# Altium PCB quadruped.PcbDoc
Units mm, origin at the board's own origin, x right, y up, seen from the top; angles counter-clockwise.
Board outline 70.48 x 68.45 mm, 2 copper layers (Top Layer, Bottom Layer); 63 components, 54 nets, 329 pads, 86 vias.
Unrouted connection lines stored in the file: 16.
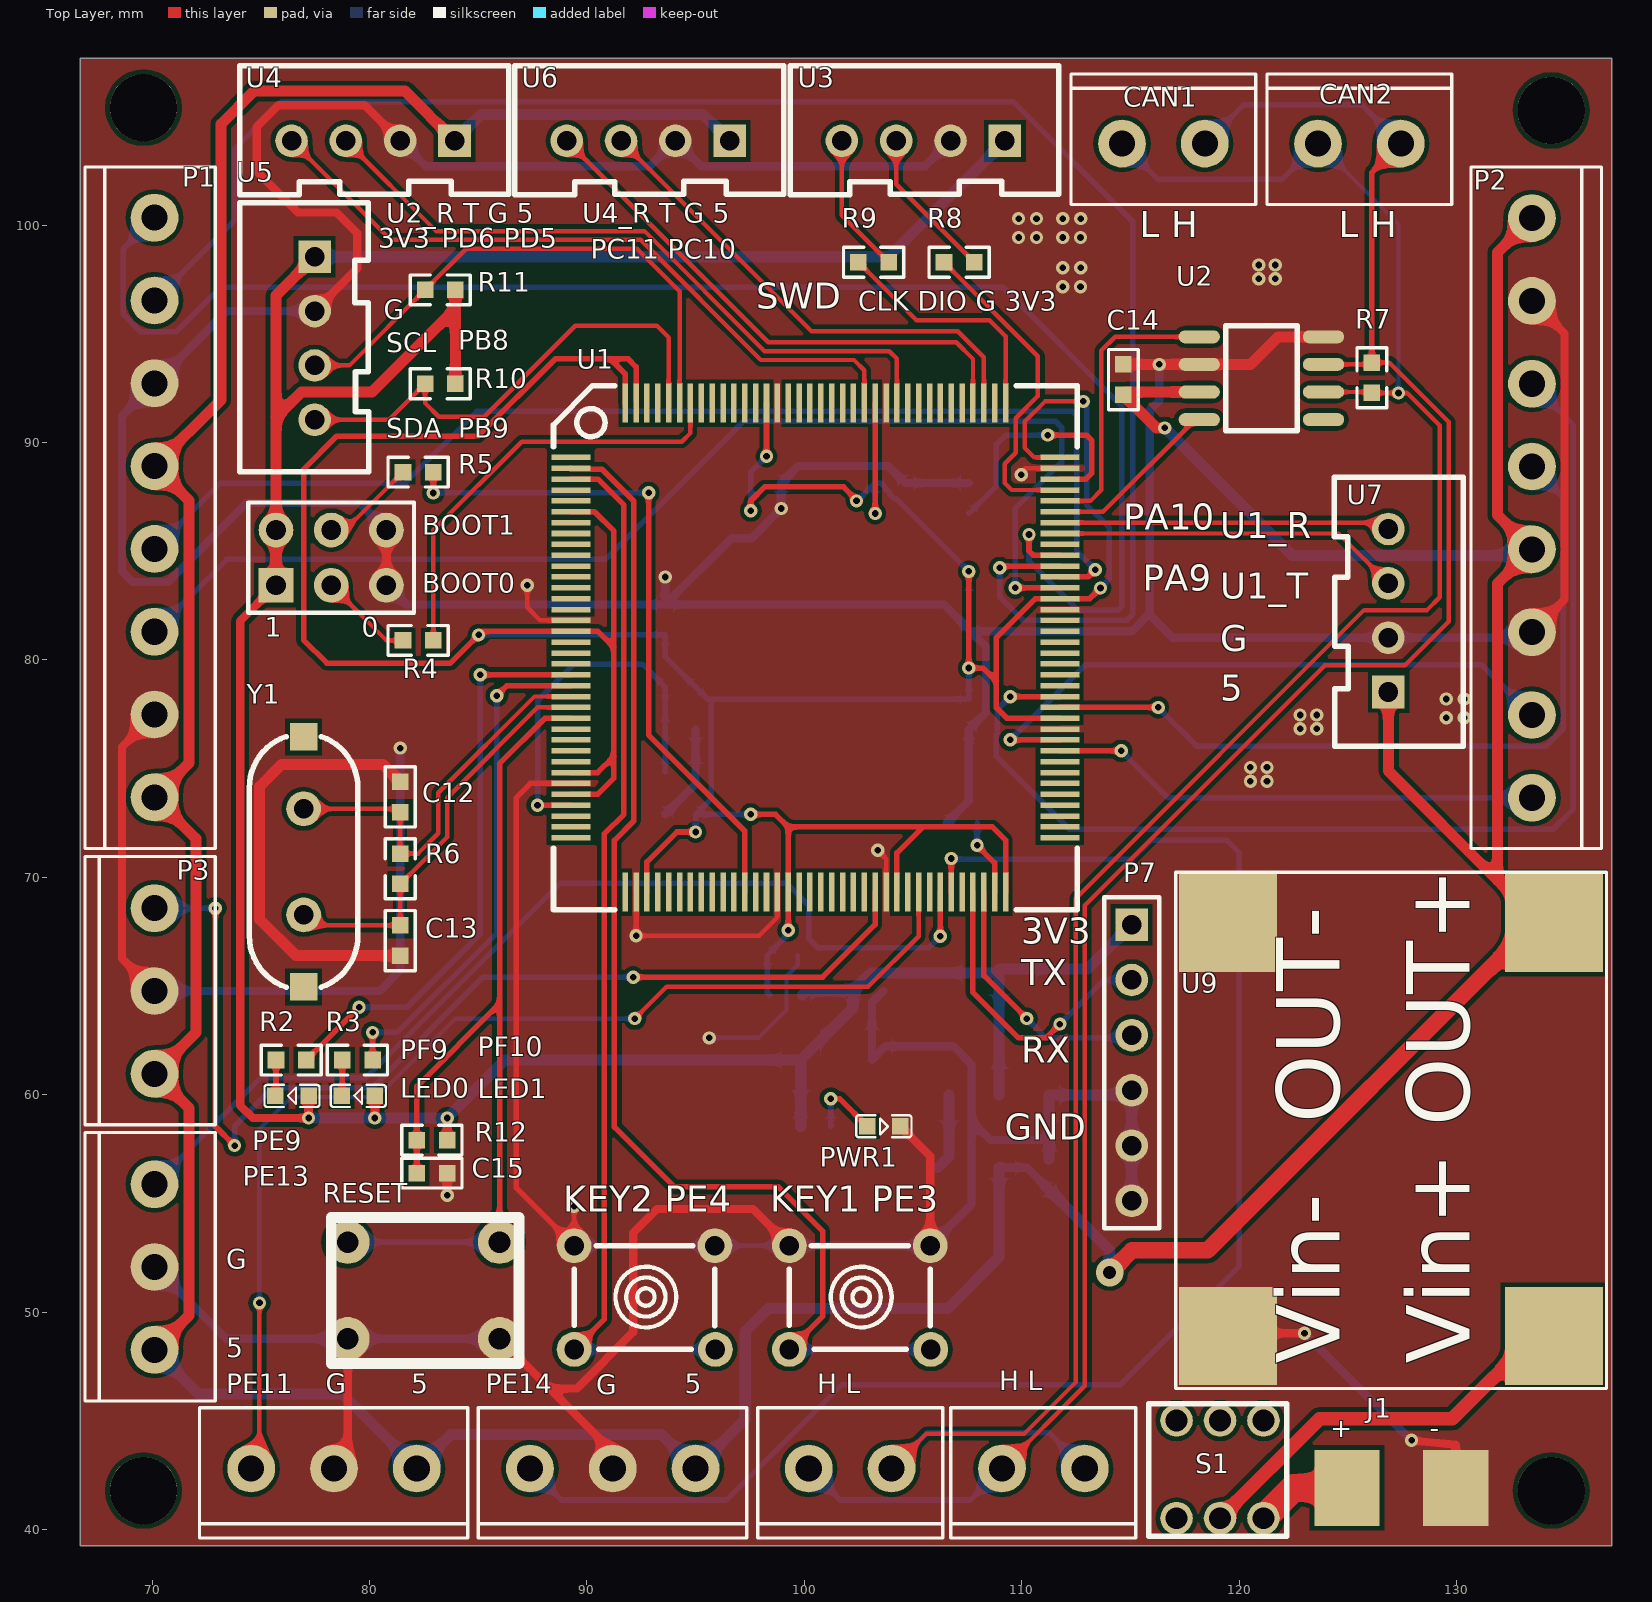
[diagram p0: Top Layer view]
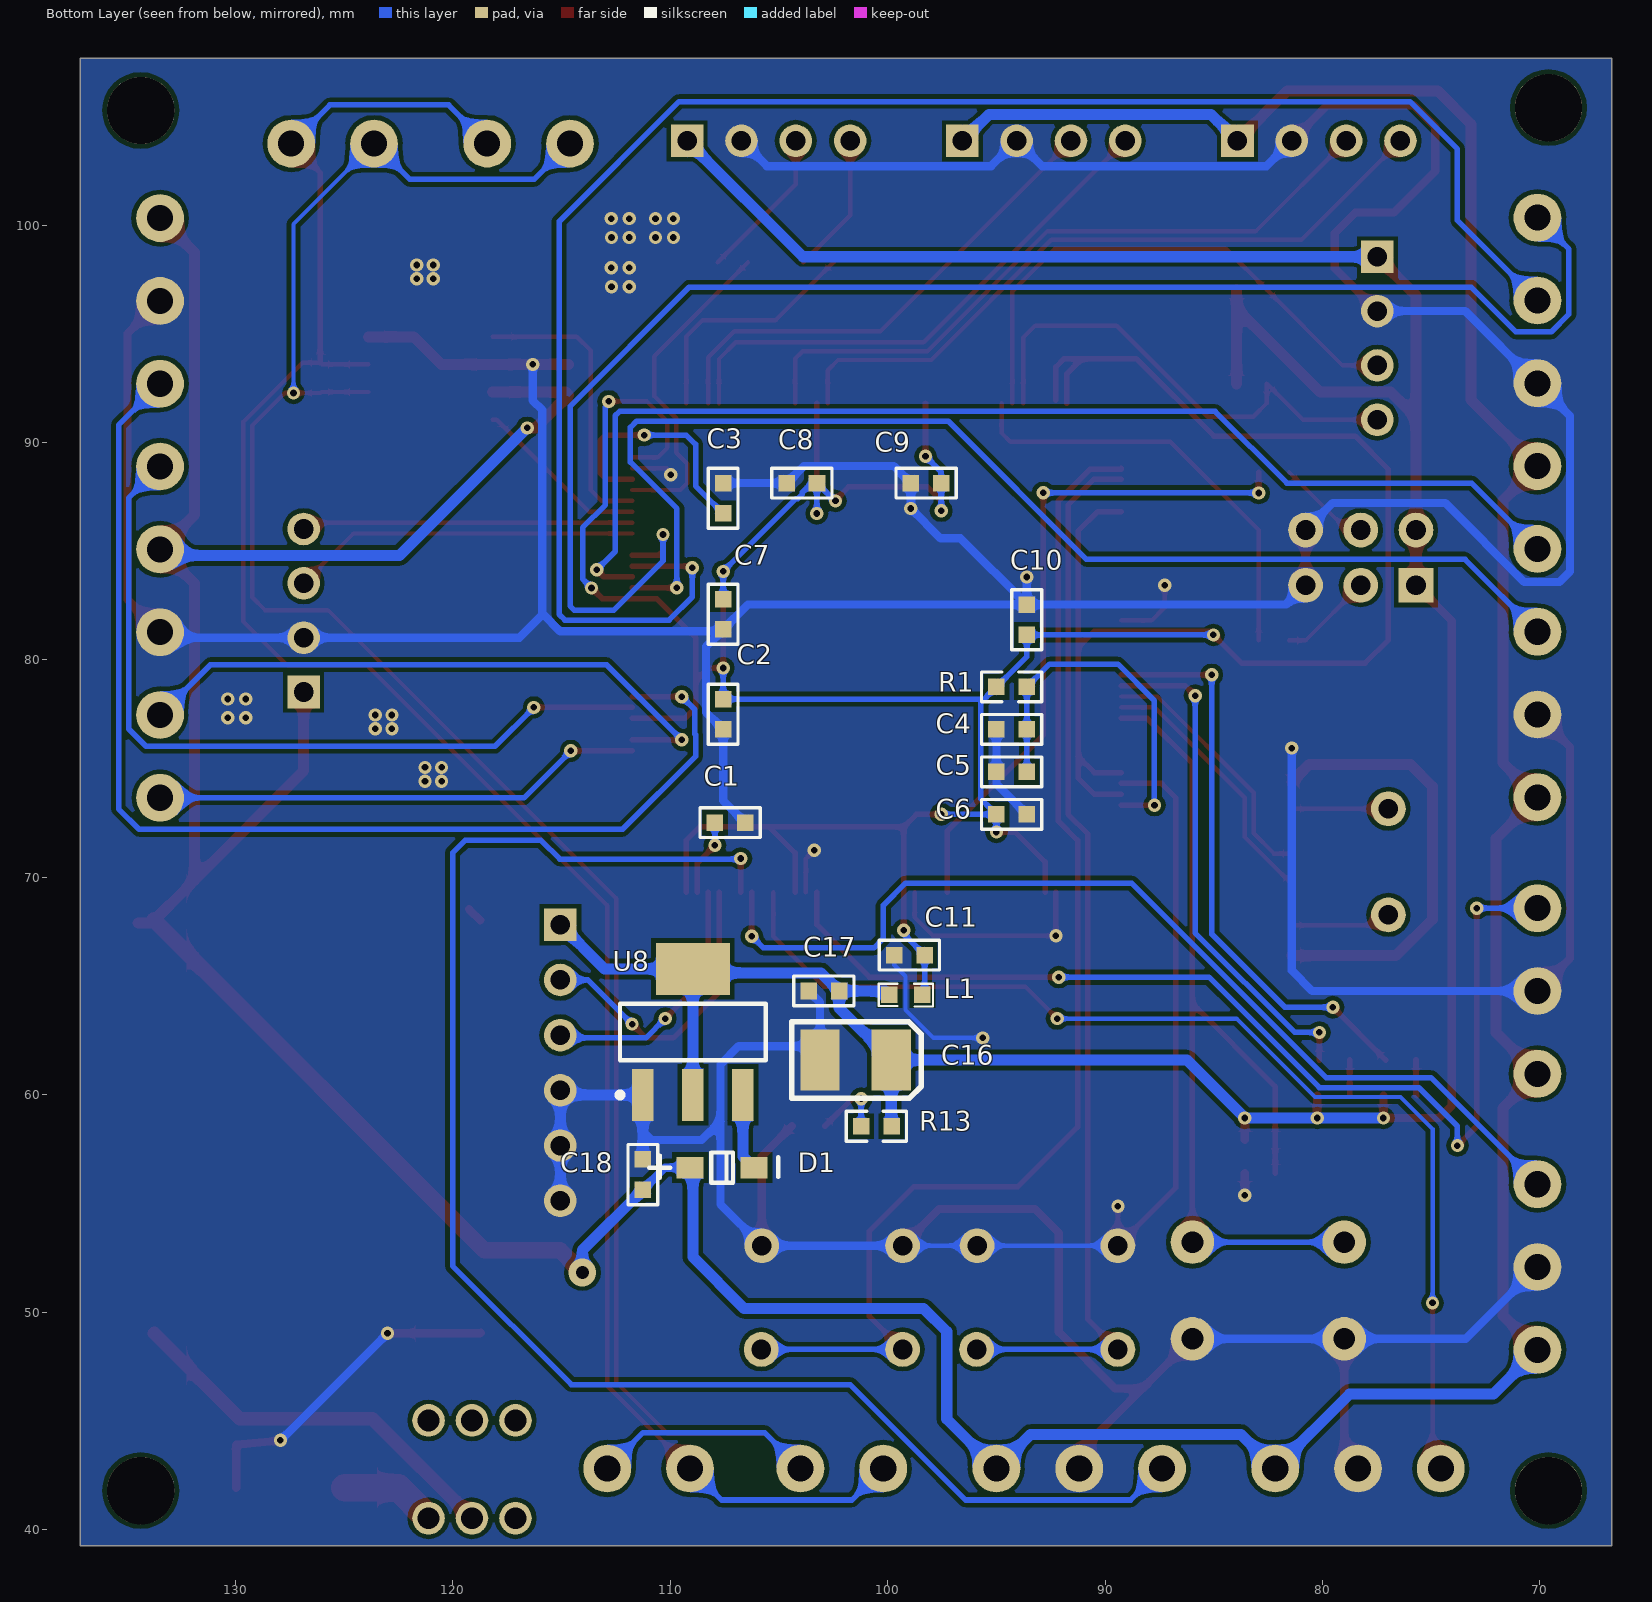
[diagram p1: Bottom Layer view, seen from below]
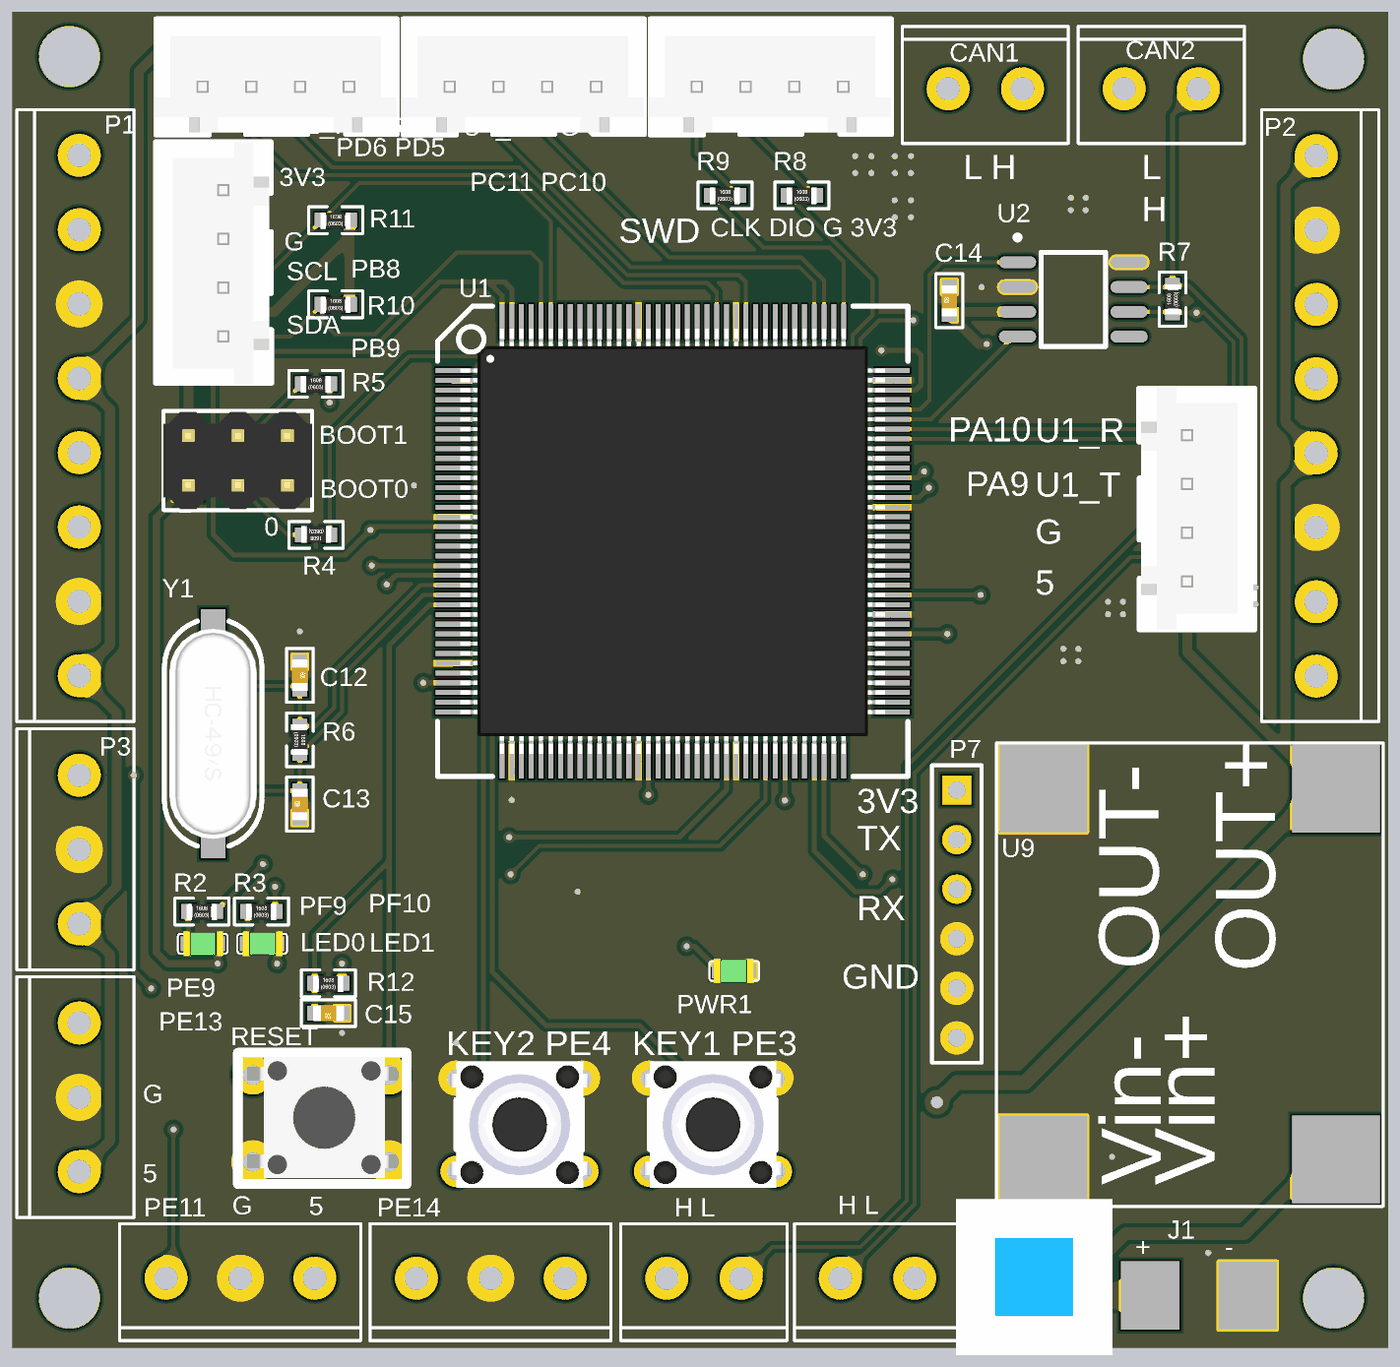
[diagram p2: 3D render of the assembled board from above, using the file's embedded part models]
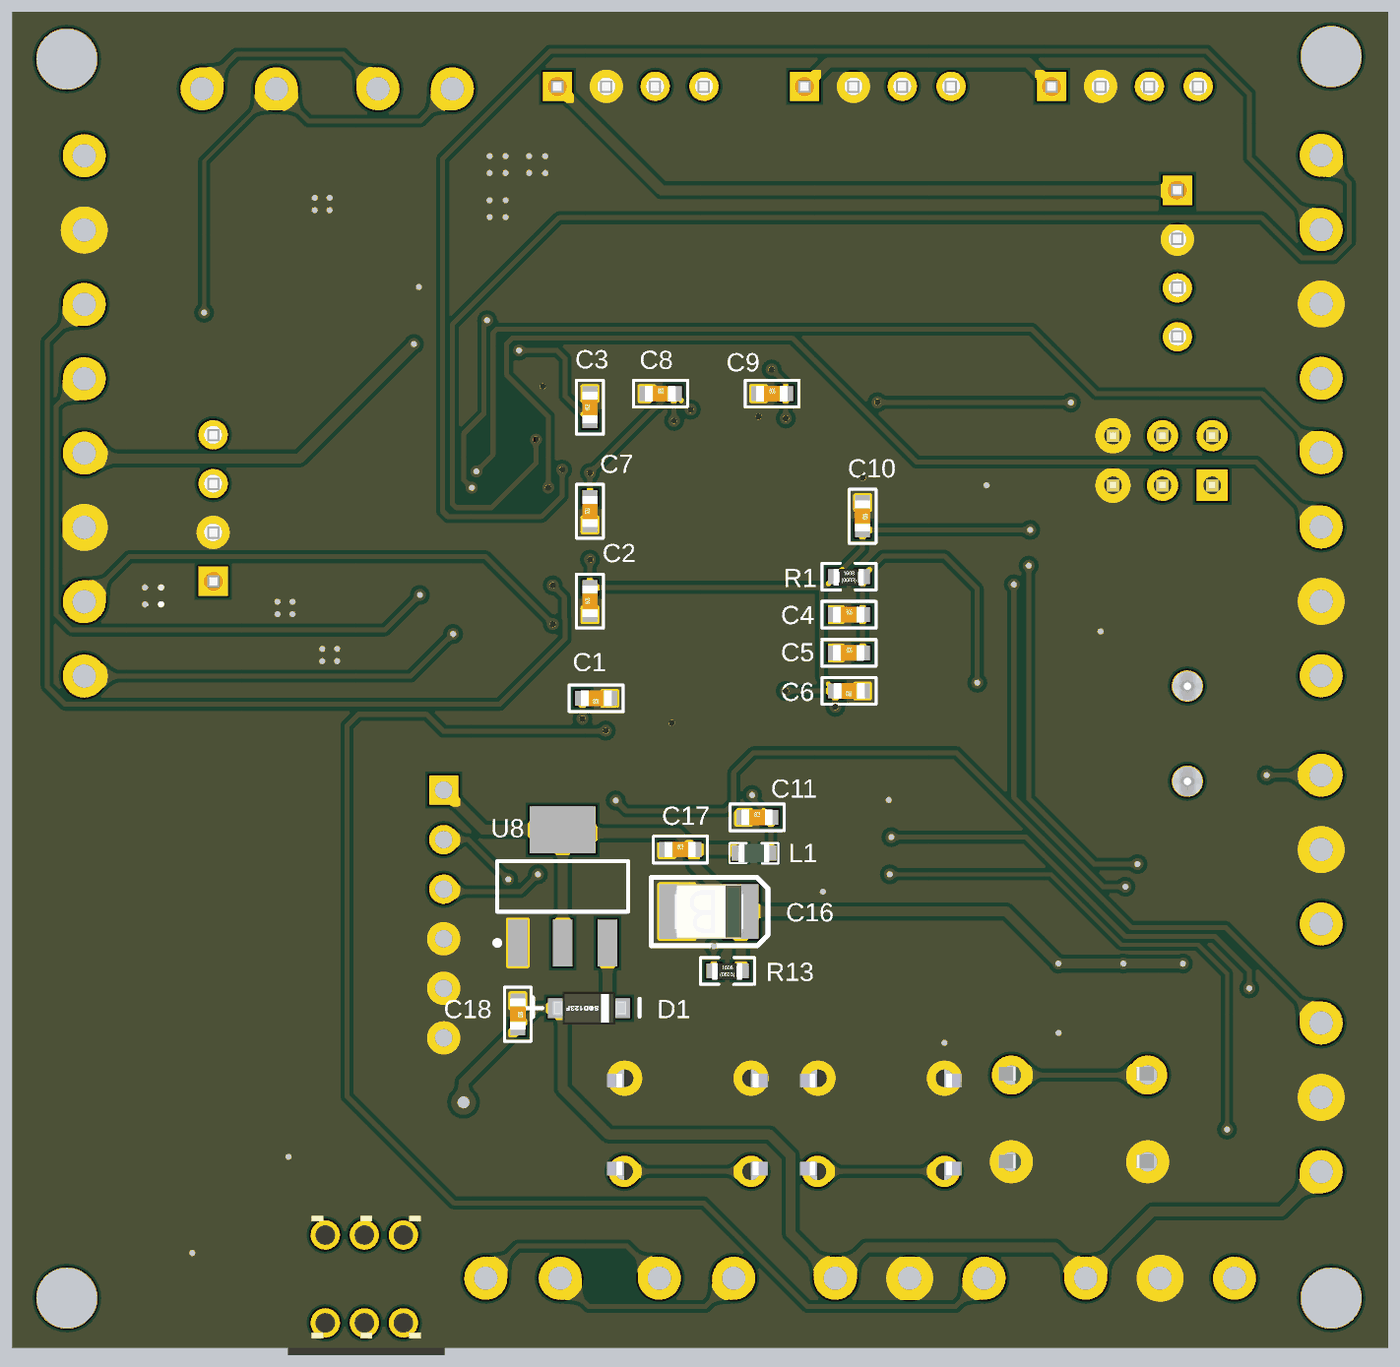
[diagram p3: 3D render of the assembled board from below, using the file's embedded part models]

## Layer stack, top to bottom
Top Solder: solder mask 0.0102, Solder Resist, Dk 3.5
Top Layer: signal copper 0.0356
Dielectric 1: dielectric 0.32, FR-4, Dk 4.8
Bottom Layer: signal copper 0.0356
Bottom Solder: solder mask 0.0102, Solder Resist, Dk 3.5

## Board outline
66.675,39.243 137.16,39.243 137.16,107.696 66.675,107.696

## Design rules (kind name [scope] priority, off if disabled: settings)
Clearance [All] p1: gap=0.203 ignorepadtopadclearanceinfootprint=FALSE
PlaneConnect [All] p1: planeconnectstyle=Direct reliefexpansion=0.508 reliefentries=4 reliefconductorwidth=0.254 reliefairgap=0.254
PolygonConnect [All] p1: connectstyle=Direct reliefconductorwidth=0.254 reliefentries=4 polygonreliefangle="90 Angle" airgapwidth=0.254
RoutingVias [All] p1: holewidth=0.305 width=0.61 viastyle="Through Hole" minholewidth=0.305 minwidth=0.61 maxholewidth=0.711 maxwidth=1.27
SolderMaskExpansion [All] p1: expansion=0.102
Width pwr [InNetClass('PWR')] p1: maxlimit=1.27 minlimit=0.254 preferedwidth=0.508
Width gnd [InNetClass('GND')] p2: maxlimit=0.762 minlimit=0.203 preferedwidth=0.381
Width [All] p3: maxlimit=1.27 minlimit=0.152 preferedwidth=0.254
29 further rules are at their usual default settings.

## Classes and differential pairs
net class GND: GND
net class PWR: VCC3.3 VCC5 VCC24

## Components (designator, comment, footprint, x,y, rotation, side; value= is the part's Value field where it differs from the comment)
BOOT0 "BOOT" HDR2X3 75.692,83.439 r0 top (schematic designator BOOT1)
C1 "2.2uF 225M" 0603C 106.553,72.517 r0 bottom
C2 "104" 0603C 107.569,76.806 r90 bottom
C3 "2.2uF 225M" 0603C 107.569,86.741 r90 bottom
C4 "104" 0603C 94.996,76.806 r180 bottom
C5 "10uF" 0603C 94.996,74.852 r180 bottom
C6 "104" 0603C 93.599,72.898 r0 bottom
C7 "104" 0603C 107.569,81.407 r90 bottom
C8 "104" 0603C 104.648,88.138 r180 bottom
C9 "104" 0603C 98.933,88.138 r180 bottom
C10 "104" 0603C 93.599,82.55 r270 bottom
C11 "104" 0603C 99.695,66.421 r180 bottom
C12 "22pF" 0603C 81.407,74.395 r270 top
C13 "22pF" 0603C 81.407,66.394 r90 top
C14 "104" 0603C 114.681,92.202 r90 top
C15 "104pF" C0603 83.566,56.388 r180 top
C16 "220uF" C3528 101.473,61.595 r0 bottom
C17 "104" 0603C 103.632,64.77 r180 bottom
C18 "104" 0603C 111.266,57.023 r270 bottom
CAN1 "CAN" KF3.81直针-2P 114.617,103.759 r0 top
CAN2 "CAN" KF3.81直针-2P 123.634,103.759 r0 top
D1 "RB161MM-20TR" LC-SOD-123F 107.618,56.642 r0 bottom
"H L" "CAN" KF3.81直针-2P 104.013,42.799 r180 top (schematic designator CAN4)
"H L" "CAN" KF3.81直针-2P 112.903,42.799 r180 top (schematic designator CAN3)
J1 "XT30" POWER_PAD 124.968,41.91 r0 top
"KEY1 PE3" "KEY0" KEY_M 102.616,50.69 r0 top (schematic designator KEY1)
"KEY2 PE4" "KEY0" KEY_M 92.71,50.69 r0 top (schematic designator KEY2)
L1 "220R,2.0A,0.05DCR" 0603_L 99.162,64.592 r0 bottom
LED0 "LED0" 0603_LED 76.454,59.944 r180 top (schematic designator DS1)
LED1 "LED1" 0603_LED 79.502,59.944 r180 top (schematic designator DS2)
P1 "光电开关接口" KF3.81直针-8P 70.104,73.68 r90 top
P2 "光电开关接口" KF3.81直针-8P 133.477,100.33 r270 top
P3 "IO" KF3.81直针-3P 70.104,60.96 r90 top
P7 "Header 6" HDR1X6 115.062,67.818 r270 top
PE11 "IO" KF3.81直针-3P 82.169,42.799 r180 top (schematic designator P5)
PE13 "IO" KF3.81直针-3P 70.104,48.26 r90 top (schematic designator P4)
PE14 "IO" KF3.81直针-3P 94.996,42.799 r180 top (schematic designator P6)
PWR1 "LED1" 0603_LED 103.632,58.547 r0 top
R1 "10R" 0603R 94.996,78.76 r180 bottom
R2 "470R" 0603R 75.692,61.595 r0 top
R3 "470R" 0603R 78.74,61.595 r0 top
R4 "10K" R0603 82.931,80.899 r180 top
R5 "10K" R0603 81.534,88.646 r0 top
R6 "1M" 0603R 81.407,71.093 r270 top
R7 "120R" 0603R 126.111,92.285 r90 top
R8 "100R" 0603R 106.426,98.298 r0 top
R9 "100R" 0603R 102.489,98.298 r0 top
R10 "4.7K" 0603R 82.55,92.71 r0 top
R11 "4.7K" 0603R 82.55,97.028 r0 top
R12 "10K" R0603 82.169,57.912 r0 top
R13 "470R" 0603R 101.219,58.547 r180 bottom
RESET "KEY_M" KEY_4 78.994,53.467 r0 top (schematic designator RESET1)
S1 "自锁开关" 自锁开关5.8*5.8 117.126,45.013 r0 top
U1 "STM32F407ZGT6" lQFP144 100.445,80.759 r0 top
U2 "TJA1050" SOP8 121.031,92.964 r270 top
U3 "HEADER" XH2.54-4 109.227,103.886 r180 top
U4 "串口通信" XH2.54-4 83.907,103.886 r180 top
U5 "IIC" XH2.54-4 77.47,98.552 r270 top
U6 "串口通信" XH2.54-4 96.567,103.886 r180 top
U7 "串口通信" XH2.54-4 126.873,78.526 r90 top
U8 "AMS1117-3.3" SOT223 108.966,62.886 r180 bottom
U9 "降压模块" "MP1584N DC-DC" 134.493,48.895 r90 top
Y1 "8MHz" XTAL_US 76.962,70.712 r270 top

## Footprints (in the part's own frame and the unit in brackets; to place one, negate y for a bottom-side part, rotate by r counter-clockwise, add the part's x,y. Pads: shape width x height; smd on the part's side, far side on the other; paste and mask are expansions set on the pad)
0603_L [mil]
  rect 30x30 smd: 1(-30,0) 2(30,0)
  silkscreen extent -49,-20 49,21, body extent -31,-18 31,19, height 34
0603_LED [mil]
  rect 30x30 smd: 1(-29,0) 2(31,0)
  silkscreen extent -49,-20 51,20, body extent -40,-25 40,25, height 43
0603C [mil]
  rect 30x30 smd: 1(0,0) 2(55,0)
  silkscreen extent -27,-27 82,27, body extent -4,-16 58,16, height 12
0603R [mil]
  rect 30x30 smd: 1(0,0) 2(55,0)
  silkscreen extent -27,-27 82,27, body extent -4,-18 58,16, height 18
C0603 [mil]
  rect 30x30 smd: 1(0,0) 2(55,0)
  silkscreen extent -27,-27 82,27, body extent -4,-16 59,16, height 12
C3528 [mil] "B型"
  rect 70.87x110 smd: 1(-64.5,0) 2(64.5,0)
  silkscreen extent -119,-69 116,69, body extent -69,-55 69,55, height 75
HDR1X6 [mm] "Connector; Header; 6 Position"
  rect 1.5x1.5 hole 0.9: 1(0,0)
  round 1.5 hole 0.9: 2(2.54,0) 3(5.08,0) 4(7.62,0) 5(10.16,0) 6(12.7,0)
  silkscreen extent -1.27,-1.27 13.97,1.27
HDR2X3 [mm]
  rect 1.6x1.6 hole 0.9: 1(0,0)
  round 1.6 hole 0.9: 2(0,2.54) 3(2.54,0) 4(2.54,2.54) 5(5.08,0) 6(5.08,2.54)
  silkscreen extent -1.27,-1.27 6.35,3.81, body extent -1.27,-1.23 6.35,3.77, height 8.4
KEY_4 [mm]
  round 2 hole 1: 1(0,-0.254) 1(6.985,-0.254) 2(0,-4.699) 2(6.985,-4.699)
  silkscreen extent -0.76,-5.84 7.87,0.89, body extent -0.3,-5.54 7.62,0.66, height 4